# Altium PCB Terra.PcbDoc (part 1 of 7)
Units mm, origin at the board's own origin, x right, y up, seen from the top; angles counter-clockwise.
Board outline 126 x 65 mm, 6 copper layers (Top Layer, Int1 (Sign), Int2 (GND), Int3(PWR), Int4(Sign), Bottom Layer), stack 2.348 mm thick; 559 components, 490 nets, 2466 pads, 1027 vias.
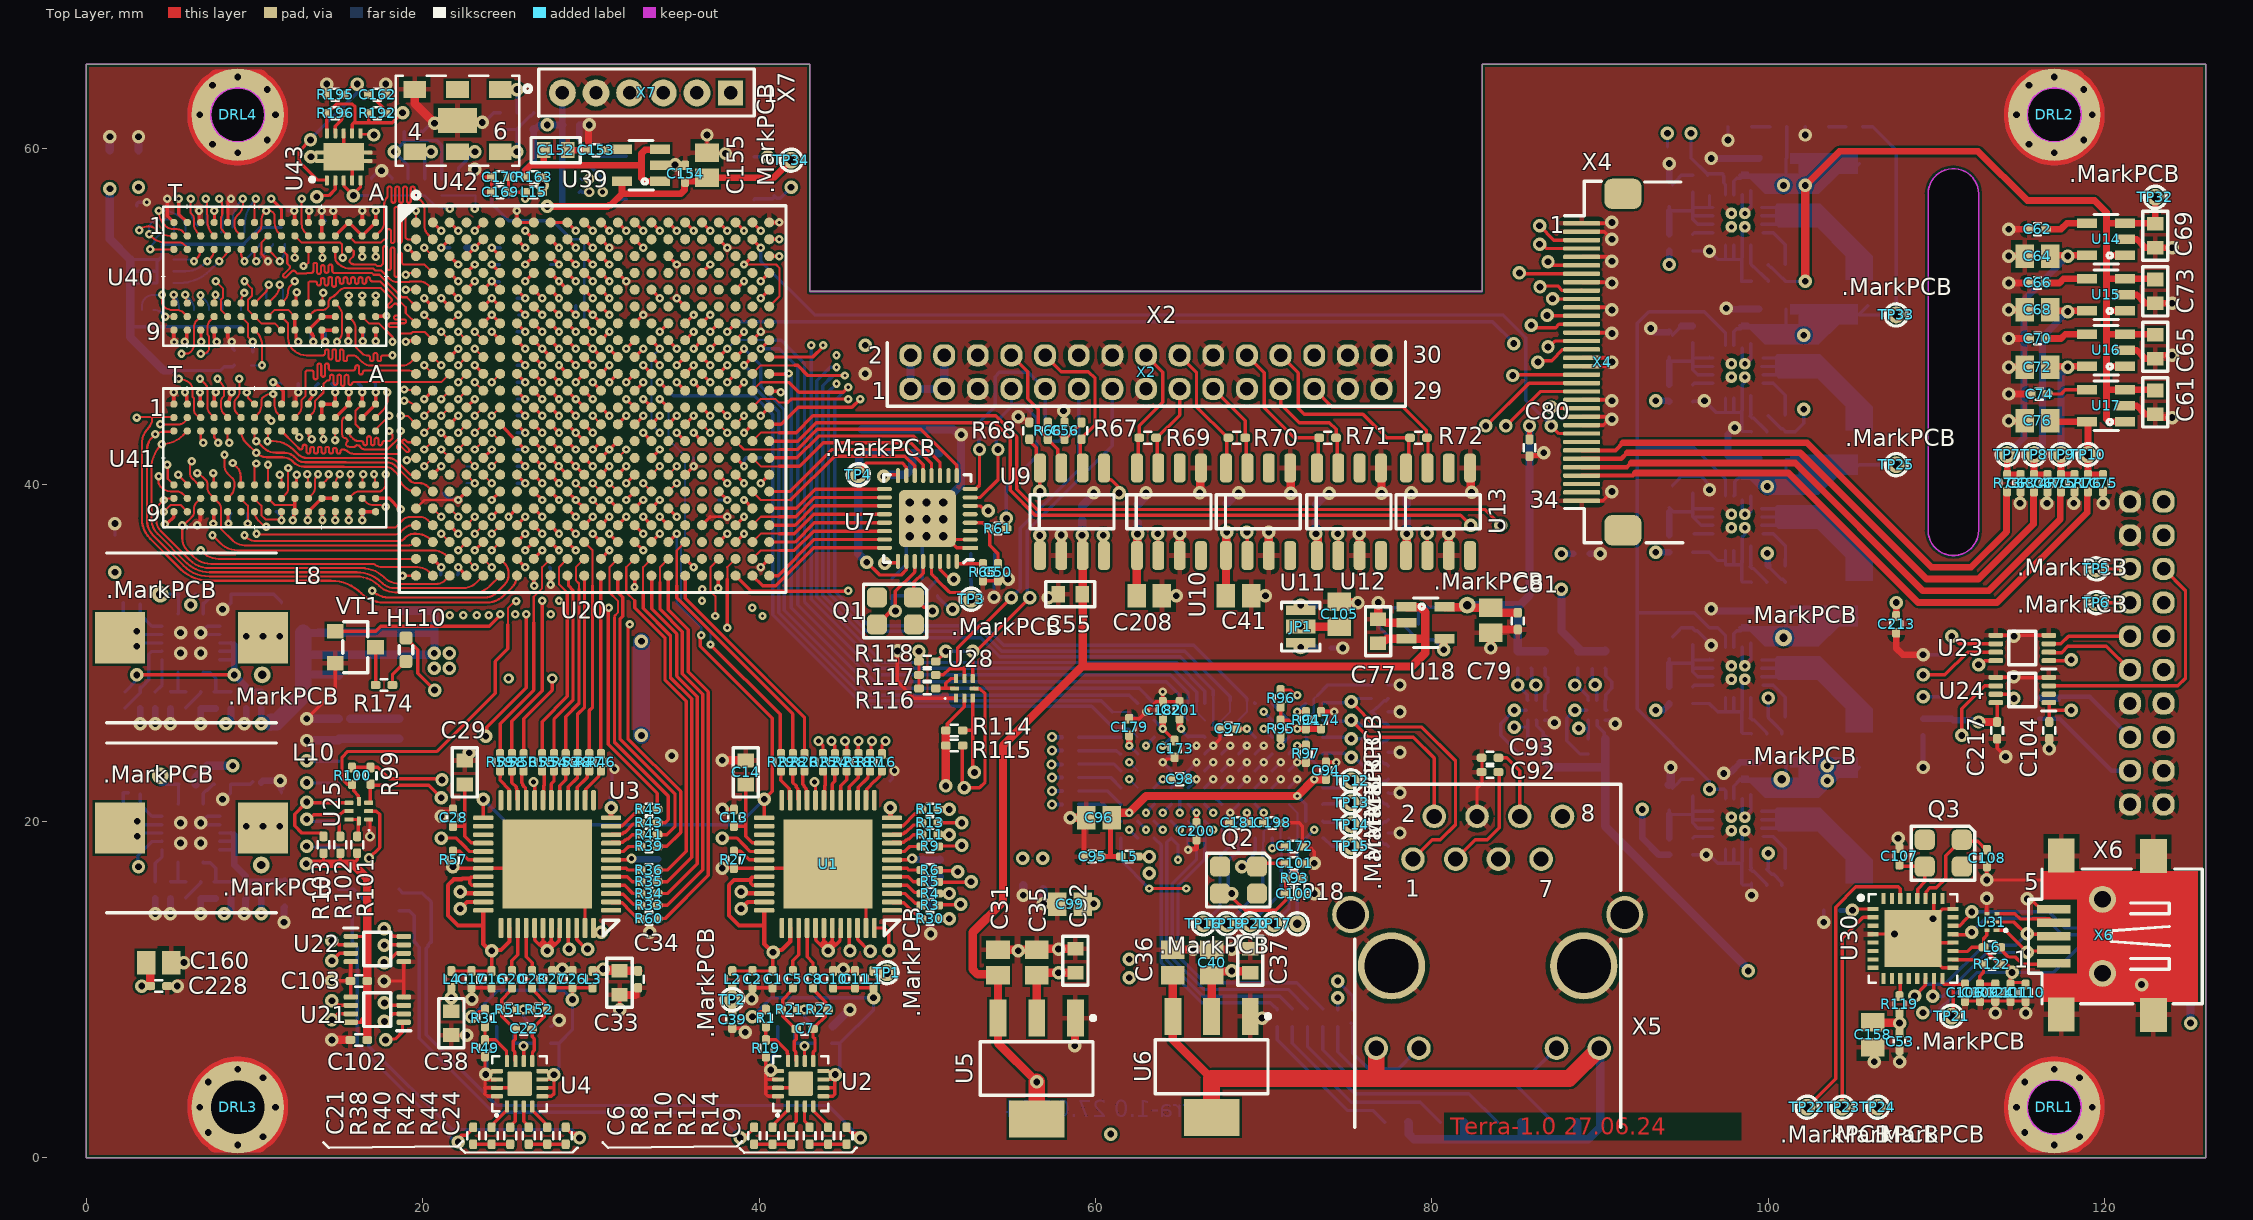
[diagram p0: Top Layer view]
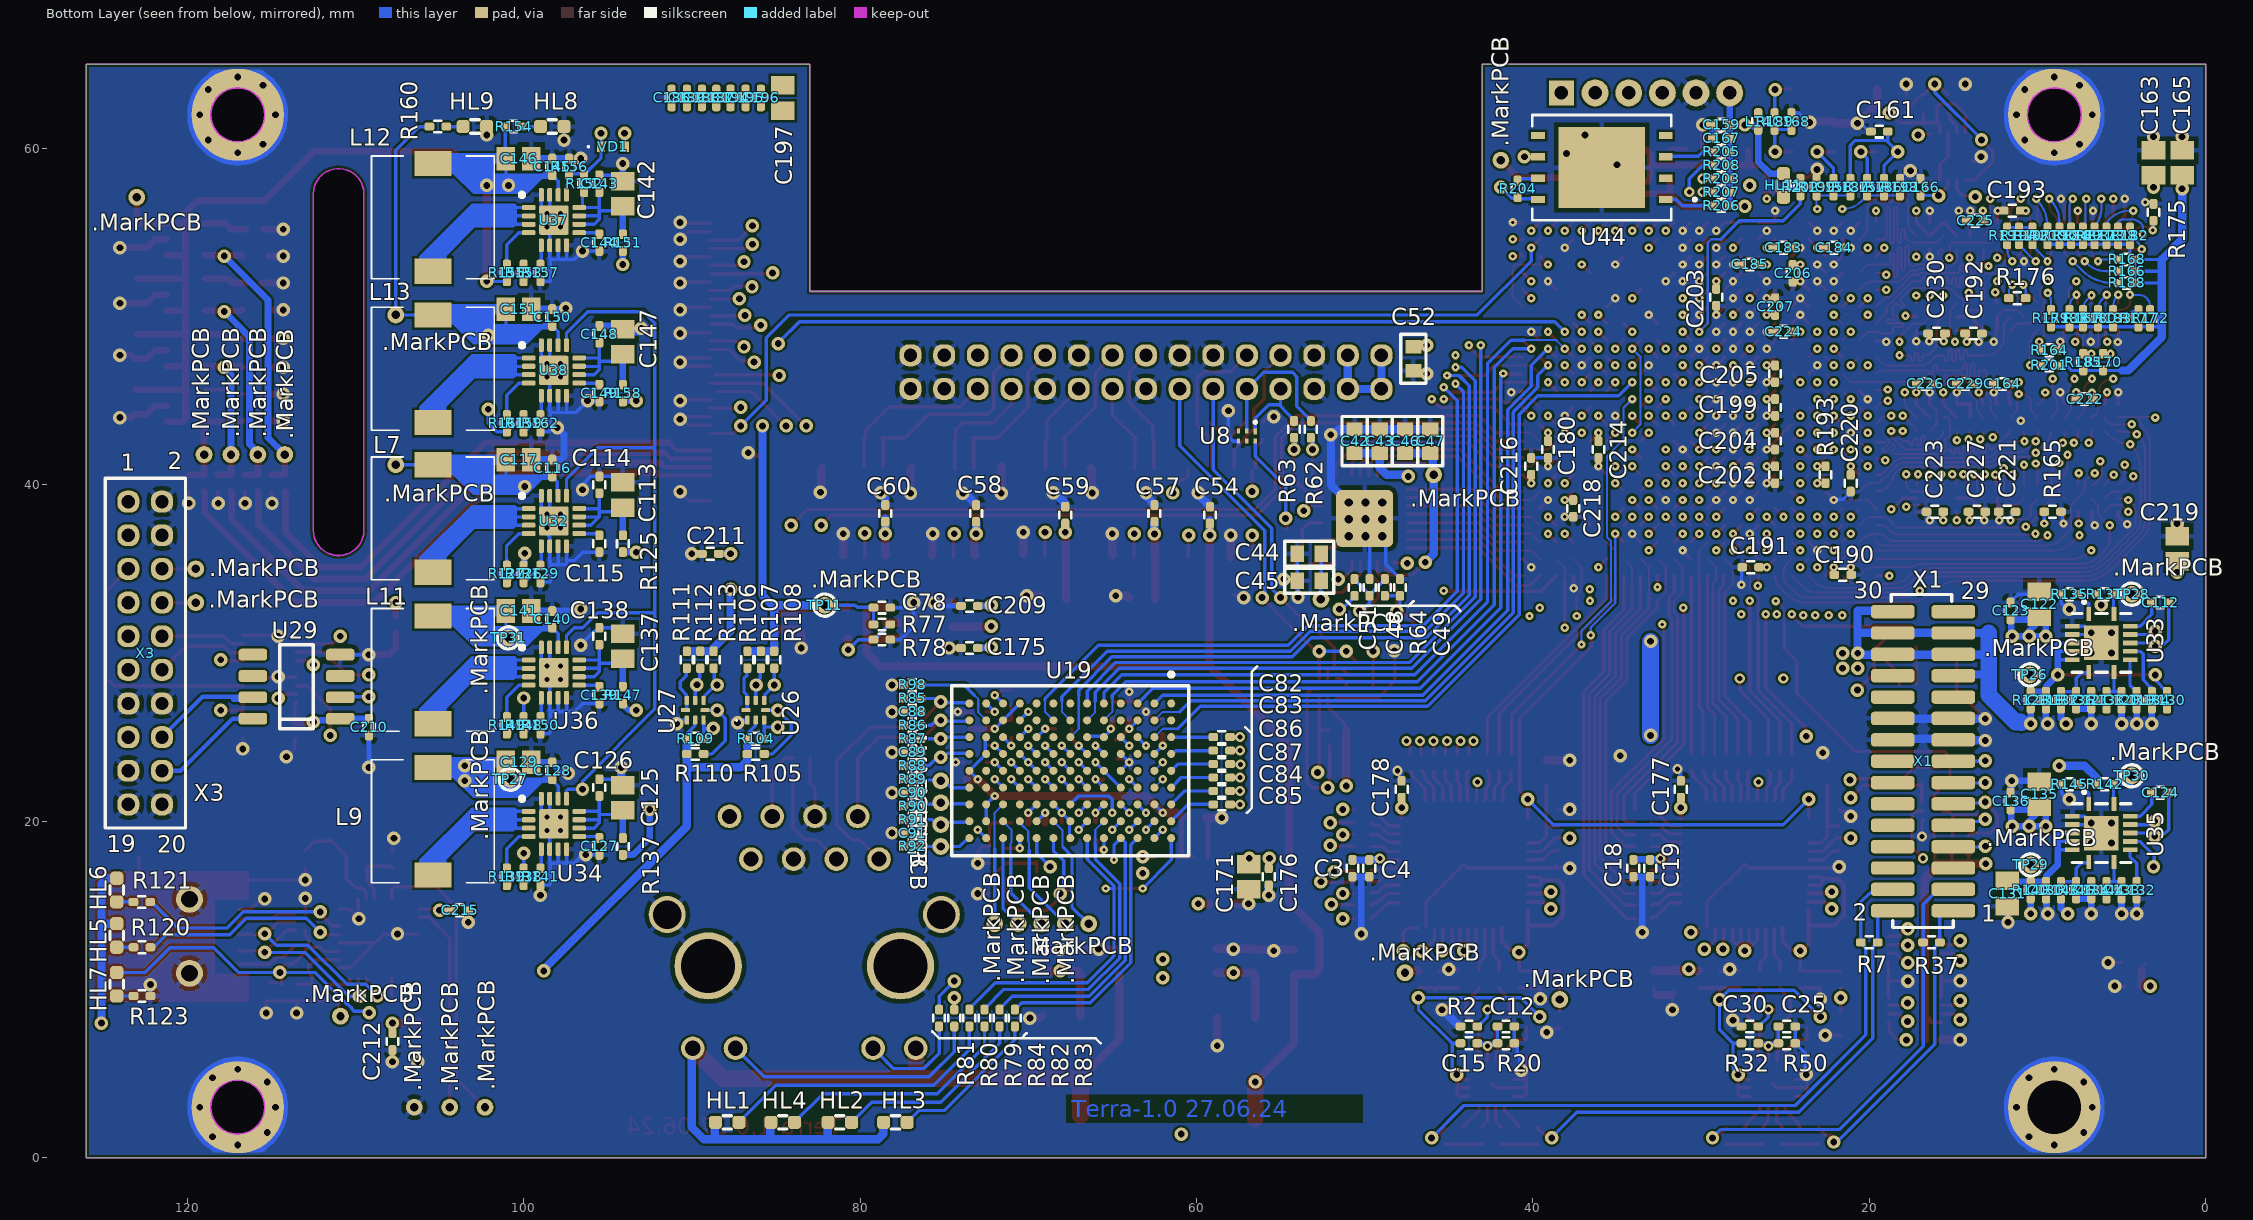
[diagram p1: Bottom Layer view, seen from below]
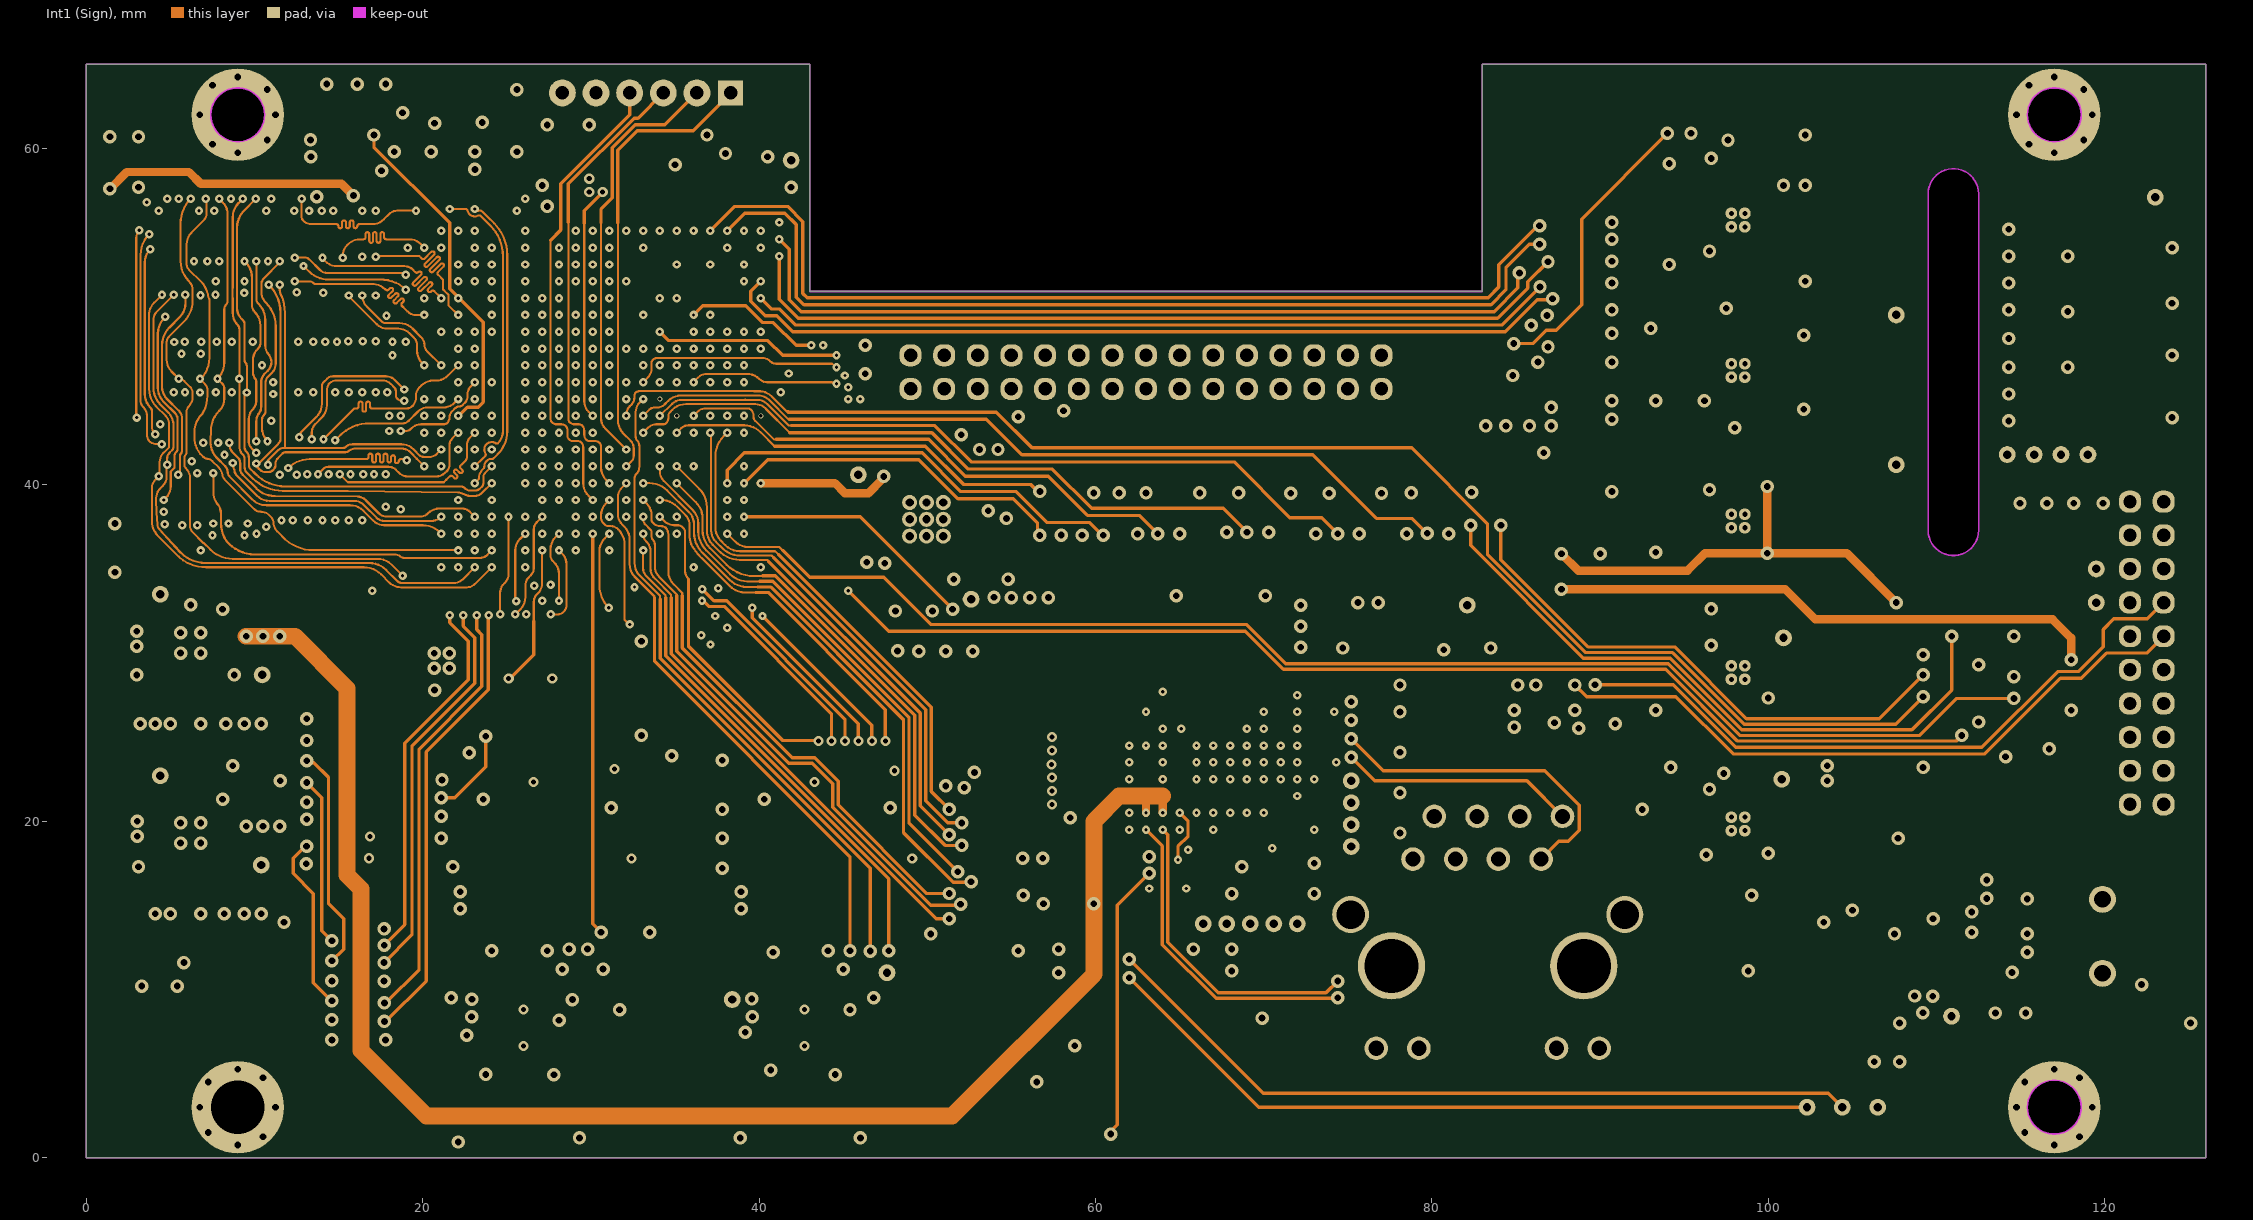
[diagram p2: Int1 (Sign)]
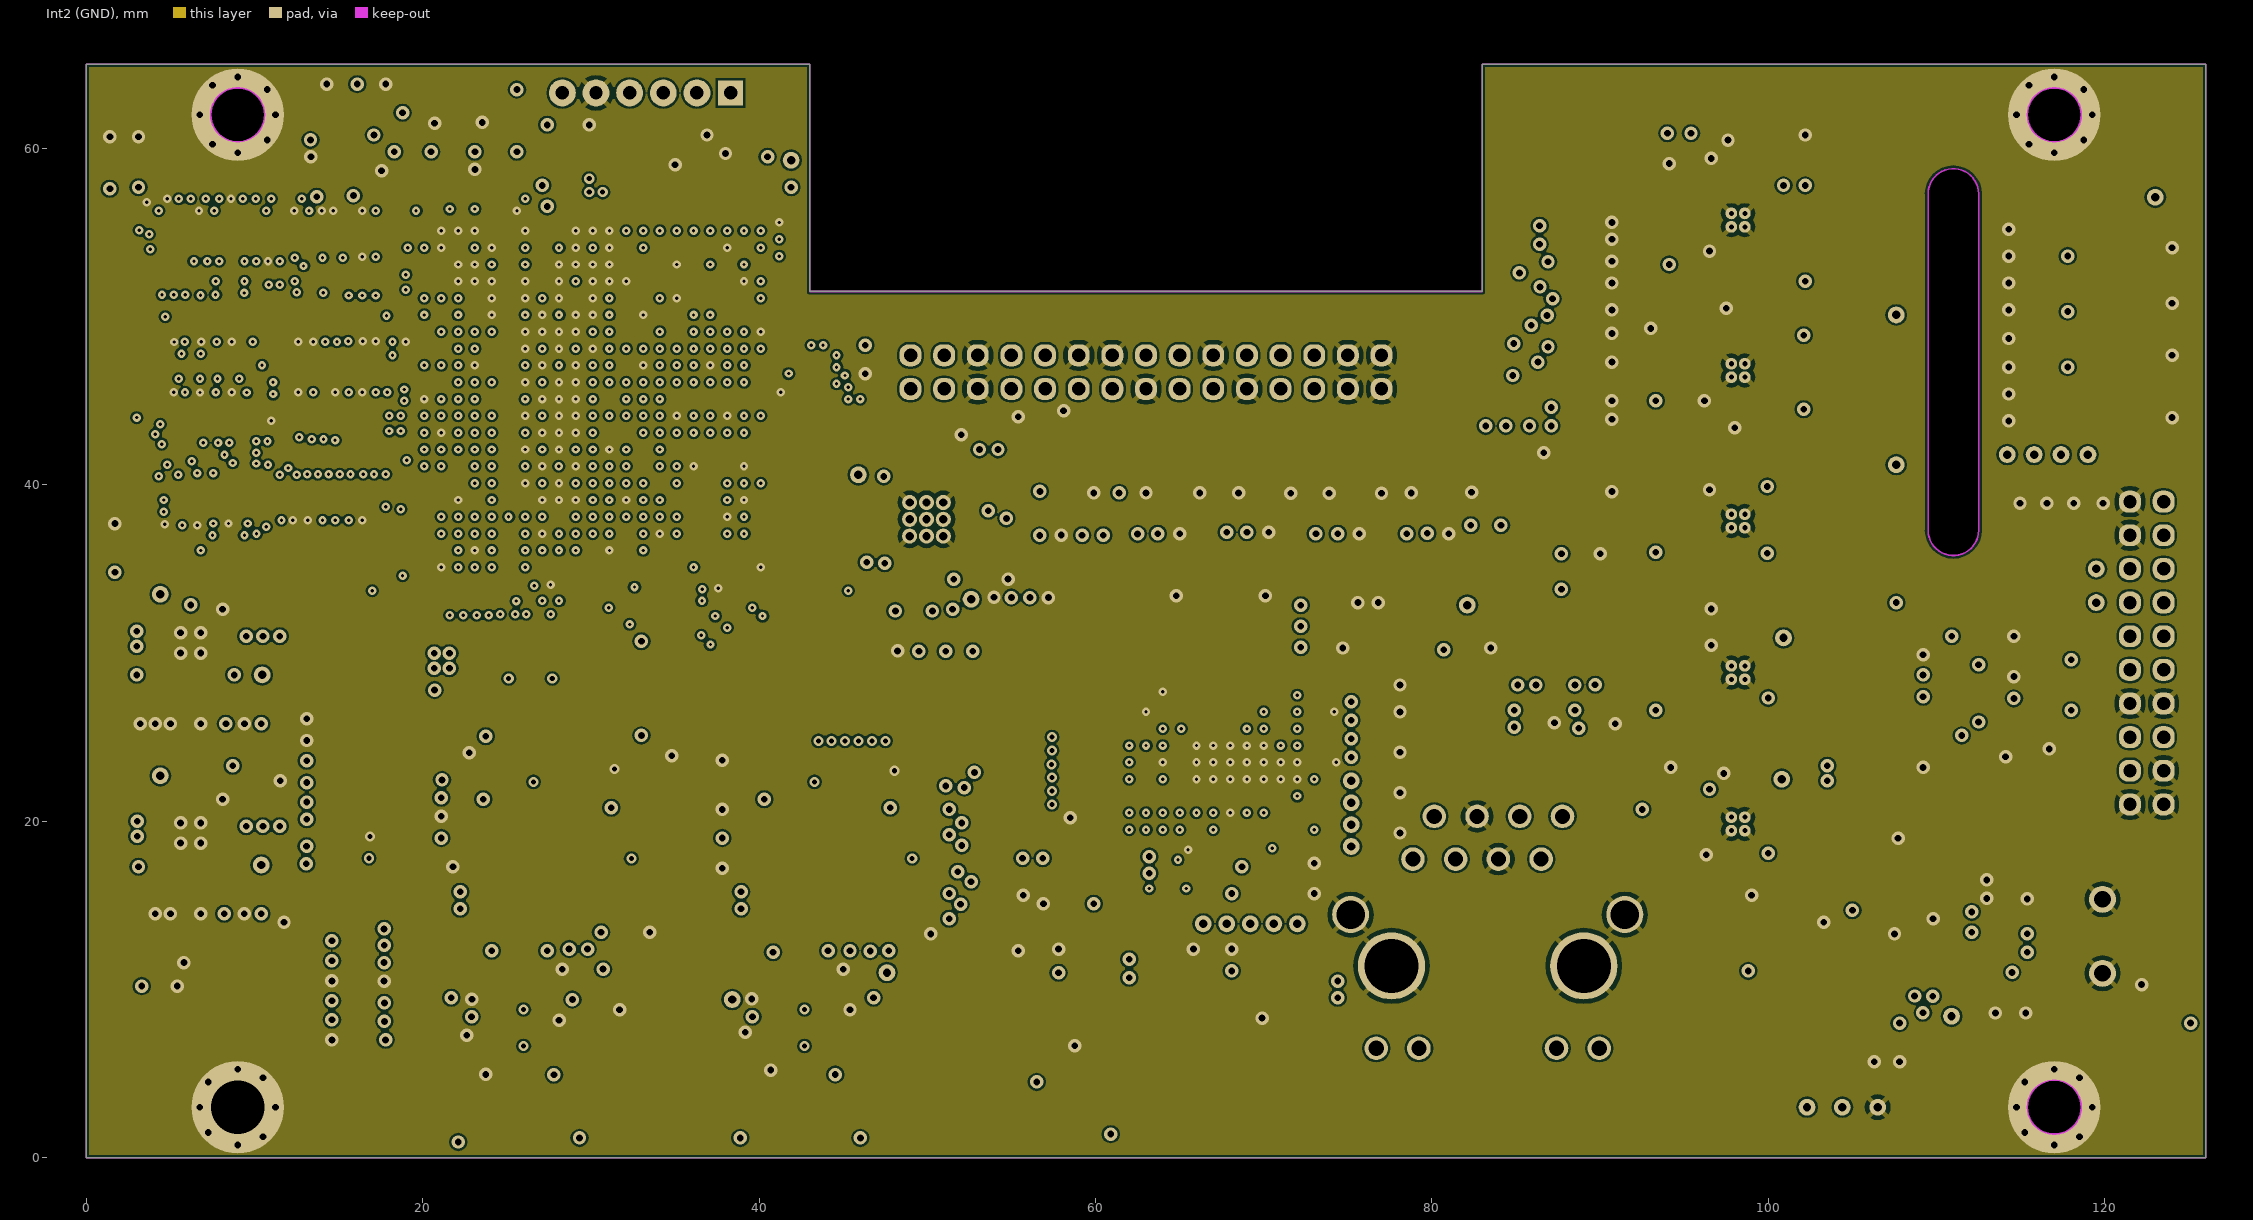
[diagram p3: Int2 (GND)]